# Altium PCB Stabilizer_Pounder.PcbDoc (part 1 of 7) (continued)
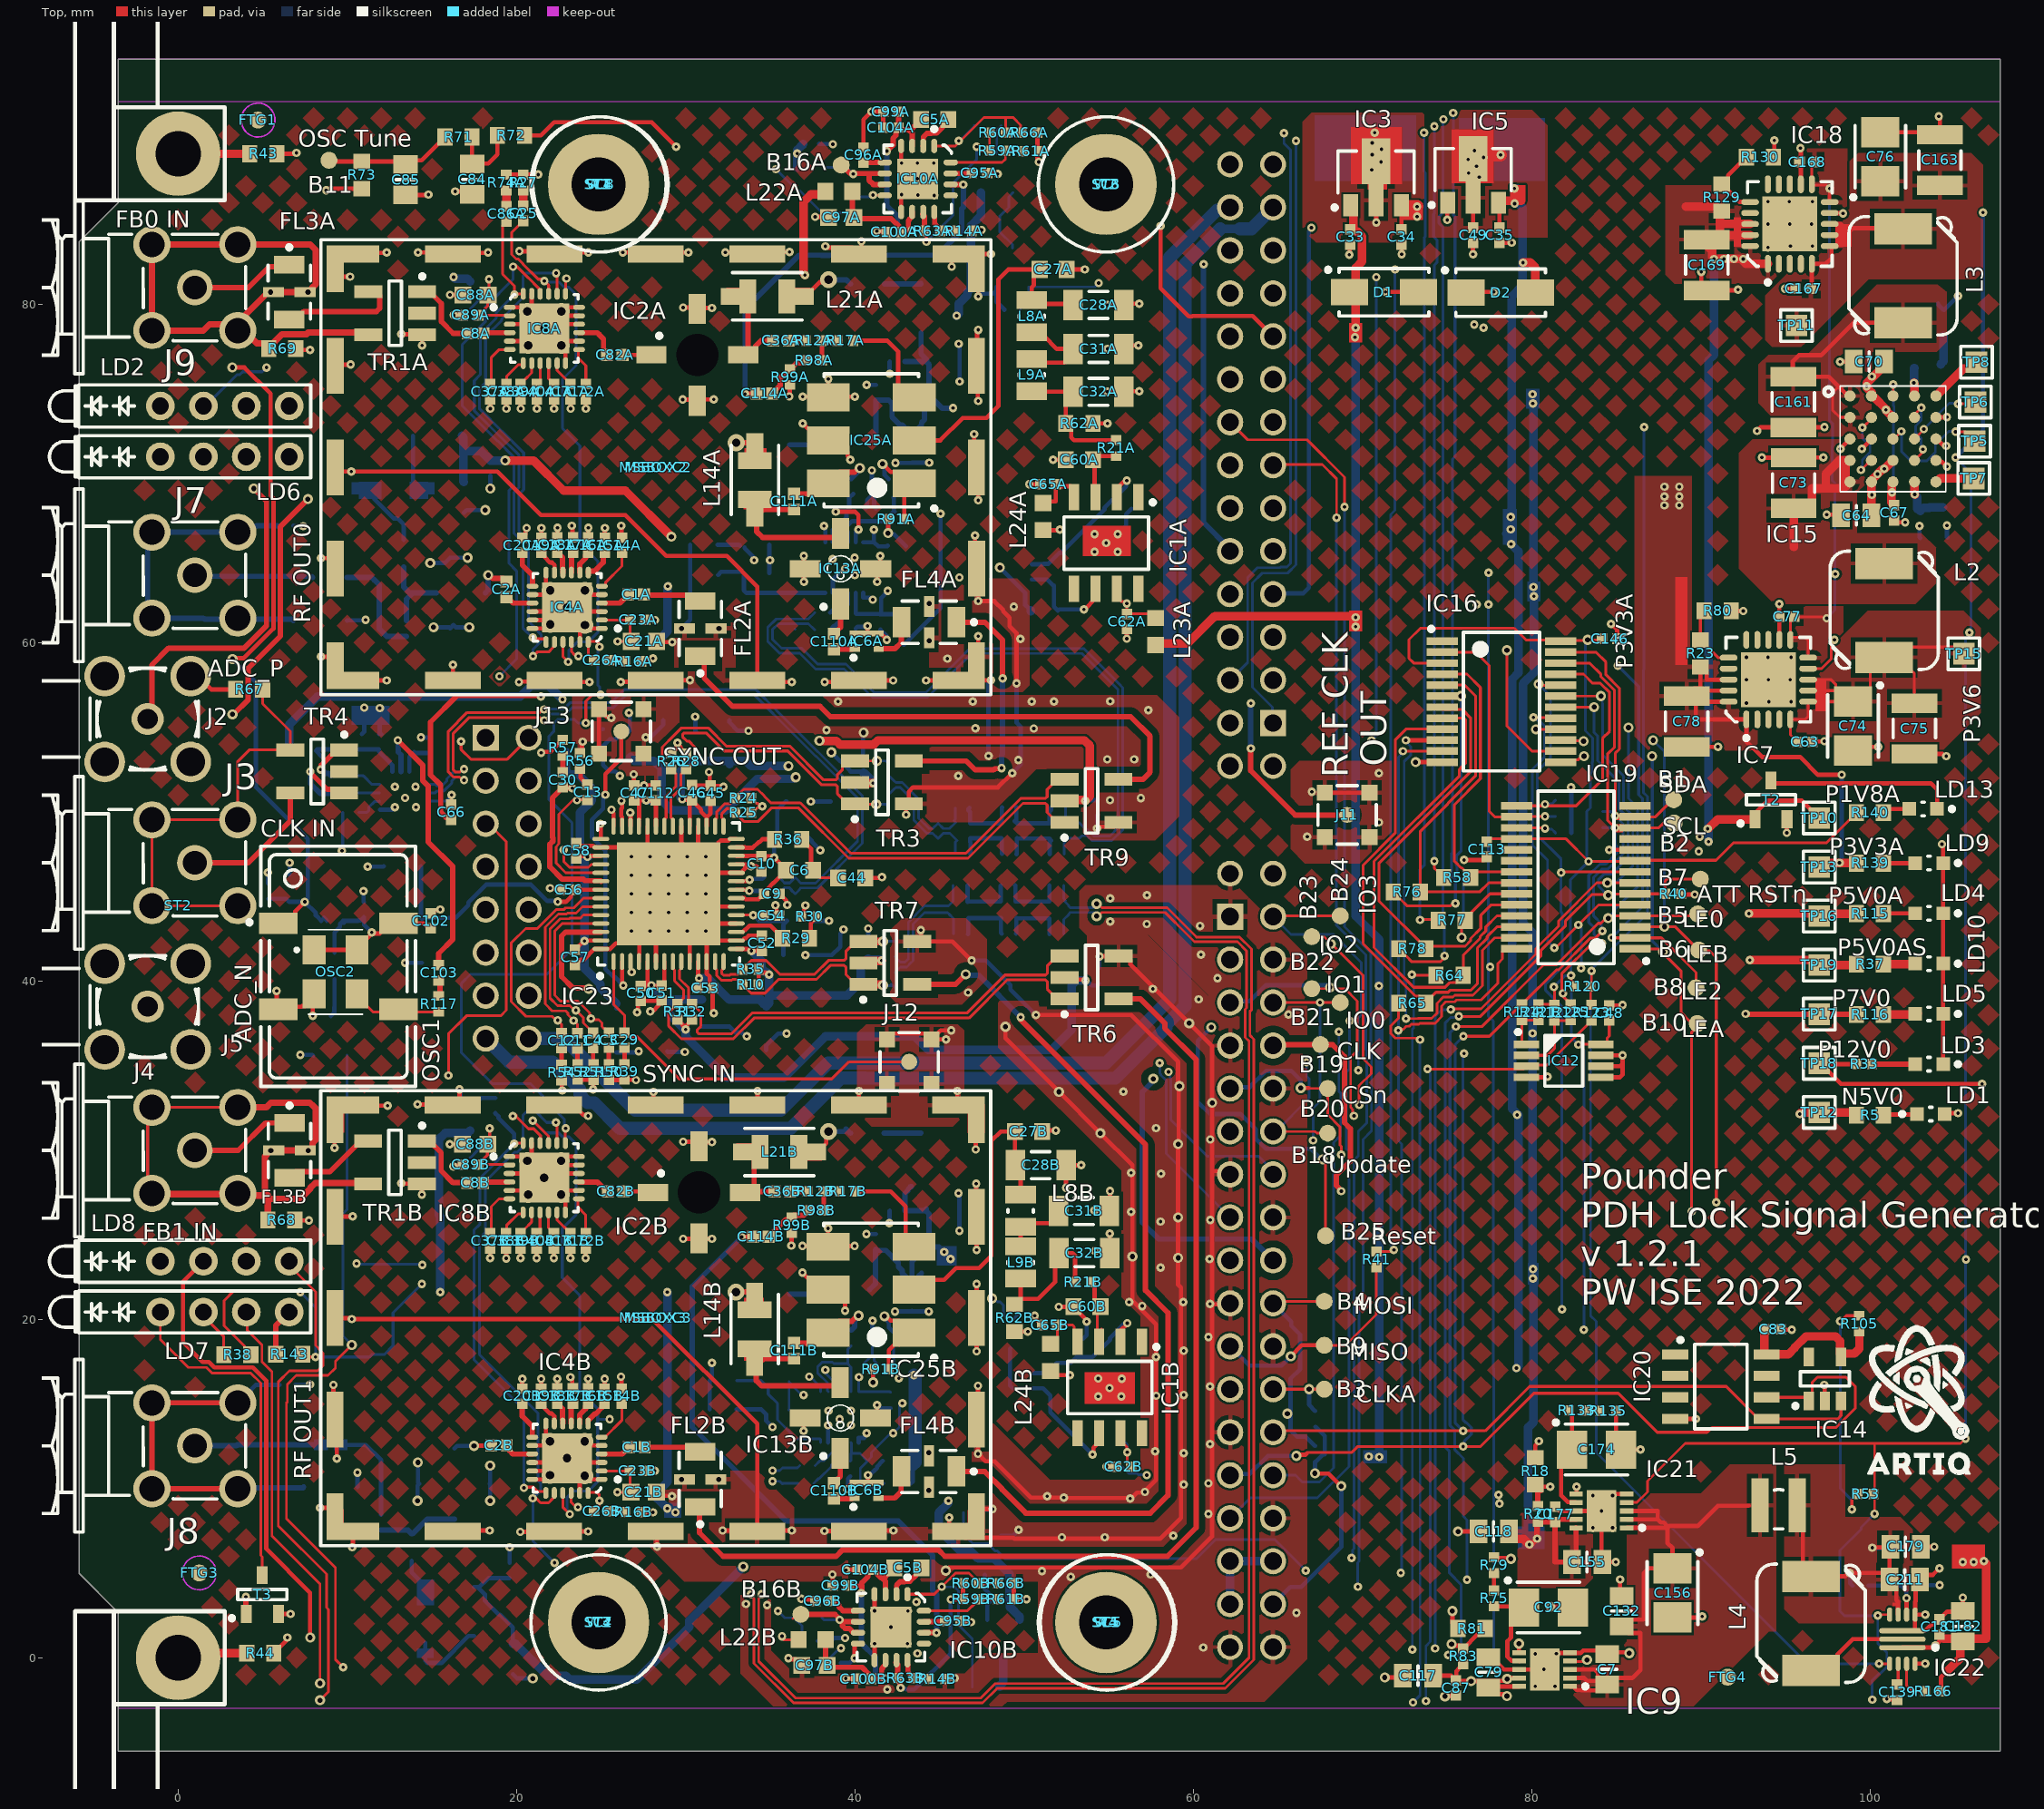
[diagram p0: Top view]
## Components (designator, comment, footprint, x,y, rotation, side; value= is the part's Value field where it differs from the comment) (continued)
C67 "100nF" CAPC1005X55N 101.429,67.676 r90 top
C68 "10uF" CAPMP3216X180N 34.754,37.213 r270 bottom
C69 "10uF" CAPMP3216X180N 14.404,42.374 r270 bottom
C70 "22uF" CAPC2012X135N 99.939,76.614 r0 top
C71A "100nF" CAPC1005X55N 23.193,74.843 r90 top (schematic designator C71)
C71B "100nF" CAPC1005X55N 23.183,24.644 r90 top (schematic designator C71)
C72A "100nF" CAPC1005X55N 24.093,74.843 r90 top (schematic designator C72)
C72B "100nF" CAPC1005X55N 24.083,24.644 r90 top (schematic designator C72)
C73 "47uF" CAPC3225X270N 95.479,69.434 r270 top
C74 "22uF" CAPMP3528X210N 98.989,55.074 r270 top
C75 "47uF" CAPC3225X270N 102.619,54.924 r90 top
C76 "22uF" CAPMP3528X210N 100.609,88.724 r90 top
C77 "1uF" CAPC1005X55N 95.079,61.524 r0 top
C78 "47uF" CAPC3225X270N 89.159,55.344 r90 top
C79 "22uF" CAPC2012X135N 77.444,-0.861 r270 top
C80 "100nF" CAPC1005X55N 54.407,40.31 r270 bottom
C81 "100nF" CAPC1005X55N 40.785,41.783 r270 bottom
C82A "100nF" CAPC1005X70N 25.804,77.013 r0 top (schematic designator C82)
C82B "100nF" CAPC1005X70N 25.854,27.559 r0 top (schematic designator C82)
C83 "100nF" CAPC1005X55N 94.259,19.405 r180 top
C84 "4.7nF" CAPC2012X95N 17.369,87.388 r90 top
C85 "4.7nF" CAPC2012X95N 13.437,87.363 r90 top
C86A "100pF" CAPC1005X55N 19.394,85.338 r270 top (schematic designator C86)
C86B "100pF" CAPC1005X55N 18.744,32.638 r270 bottom (schematic designator C86)
C87 "100nF" CAPC1005X55N 75.513,-1.783 r90 top
C88A "10uF" CAPC1608X80N 17.569,80.553 r0 top (schematic designator C88)
C88B "10uF" CAPC1608X80N 17.559,30.354 r0 top (schematic designator C88)
C89A "1nF" CAPC1005X55N 17.289,79.353 r0 top (schematic designator C89)
C89B "1nF" CAPC1005X55N 17.279,29.154 r0 top (schematic designator C89)
C90A "1uF" CAPC2012X140N 45.284,76.438 r180 bottom (schematic designator C90)
C90B "1uF" CAPC2012X140N 45.274,26.24 r180 bottom (schematic designator C90)
C91A "100nF" CAPC1005X55N 41.244,74.788 r270 bottom (schematic designator C91)
C91B "100nF" CAPC1005X55N 41.234,24.589 r270 bottom (schematic designator C91)
C92 "22uF" CAPMP3528X210N 80.994,2.971 r0 top
C93A "1uF" CAPC2012X140N 16.891,68.588 r90 bottom (schematic designator C93)
C93B "1uF" CAPC2012X140N 19.779,-0.067 r90 bottom (schematic designator C93)
C94A "1uF" CAPC2012X140N 43.369,71.538 r90 bottom (schematic designator C94)
C94B "1uF" CAPC2012X140N 43.369,21.413 r90 bottom (schematic designator C94)
C95A "100nF" CAPC1005X55N 47.364,87.768 r0 top (schematic designator C95)
C95B "100nF" CAPC1005X55N 45.784,2.168 r0 top (schematic designator C95)
C96A "100nF" CAPC1005X55N 40.504,88.818 r270 top (schematic designator C96)
C96B "100nF" CAPC1005X55N 38.1,3.353 r0 top (schematic designator C96)
C97A "10uF" CAPC1608X80N 39.194,85.138 r0 top (schematic designator C97)
C97B "10uF" CAPC1608X80N 37.614,-0.462 r0 top (schematic designator C97)
C98A "100nF" CAPC1005X55N 42.342,84.302 r0 bottom (schematic designator C98)
C98B "100nF" CAPC1005X55N 40.762,-1.298 r0 bottom (schematic designator C98)
C99A "100nF" CAPC1005X55N 42.124,91.388 r0 top (schematic designator C99)
C99B "100nF" CAPC1005X55N 39.141,4.267 r0 top (schematic designator C99)
C100A "100pF" CAPC1005X55N 42.316,84.277 r0 top (schematic designator C100)
C100B "100pF" CAPC1005X55N 40.513,-1.245 r0 top (schematic designator C100)
C101 "1uF" CAPC1005X55N 10.964,44.218 r270 bottom
C102 "100nF" CAPC1005X55N 14.914,43.558 r270 top
C103 "100nF" CAPC1005X55N 15.394,40.488 r270 top
C104A "100pF" CAPC1005X55N 42.124,90.438 r0 top (schematic designator C104)
C104B "100pF" CAPC1005X55N 40.615,5.207 r0 top (schematic designator C104)
C105 "100nF" CAPC1005X55N 9.484,51.098 r0 bottom
C106 "10uF" CAPMP3216X180N 37.064,41.528 r0 bottom
C107 "10uF" CAPMP3216X180N 25.899,37.088 r270 bottom
C108 "10uF" CAPMP3216X180N 37.262,50.608 r0 bottom
C109A "100nF" CAPC1005X55N 42.514,76.618 r0 bottom (schematic designator C109)
C109B "100nF" CAPC1005X55N 42.504,26.419 r0 bottom (schematic designator C109)
C110A "100nF" CAPC1005X70N 38.764,60.068 r90 top (schematic designator C110)
C110B "100nF" CAPC1005X70N 38.754,9.869 r90 top (schematic designator C110)
C111A "100nF" CAPC1005X70N 36.404,68.343 r90 top (schematic designator C111)
C111B "100nF" CAPC1005X70N 36.394,18.144 r90 top (schematic designator C111)
C112 "100nF" CAPC1005X55N 28.231,51.116 r270 top
C113 "100nF" CAPC1005X55N 77.347,47.788 r90 top
C114A "100nF" CAPC1005X70N 34.646,74.727 r180 top (schematic designator C114)
C114B "100nF" CAPC1005X70N 34.442,24.892 r180 top (schematic designator C114)
C115A "100nF" CAPC1005X55N 18.444,70.313 r90 bottom (schematic designator C115)
C115B "100nF" CAPC1005X55N 19.583,5.154 r270 bottom (schematic designator C115)
C116A "100nF" CAPC1005X70N 13.493,60.838 r270 bottom (schematic designator C116)
C116B "100nF" CAPC1005X70N 11.989,8.001 r90 bottom (schematic designator C116)
C117 "22uF" CAPC2012X135N 73.279,-1.062 r0 top
C118 "22uF" CAPC2012X135N 77.75,7.464 r0 top
C119A "4.7pF" CAPC1005X55N 50.445,64.186 r270 bottom (schematic designator C119)
C119B "4.7pF" CAPC1005X55N 50.314,16.383 r270 bottom (schematic designator C119)
C120A "1.8pF" CAPC1005X55N 46.348,49.327 r0 bottom (schematic designator C120)
C120B "1.8pF" CAPC1005X55N 46.253,43.713 r0 bottom (schematic designator C120)
C121A "9.1pF" CAPC1005X55N 49.124,49.327 r0 bottom (schematic designator C121)
C121B "9.1pF" CAPC1005X55N 49.105,43.713 r0 bottom (schematic designator C121)
C122 "100nF" CAPC1005X55N 14.914,53.928 r90 bottom
C123 "1uF" CAPC1005X55N 10.846,54.138 r270 bottom
C124A "6.8pF" CAPC1005X55N 51.943,49.327 r0 bottom (schematic designator C124)
C124B "6.8pF" CAPC1005X55N 51.943,43.688 r0 bottom (schematic designator C124)
C125A "100nF" CAPC1005X70N 38.075,61.773 r0 bottom (schematic designator C125)
C125B "100nF" CAPC1005X70N 37.19,11.358 r0 bottom (schematic designator C125)
C126A "100nF" CAPC1005X70N 39.776,69.24 r90 bottom (schematic designator C126)
C126B "100nF" CAPC1005X70N 39.776,18.897 r90 bottom (schematic designator C126)
C127A "9.1pF" CAPC1005X55N 44.907,48.877 r90 bottom (schematic designator C127)
C127B "9.1pF" CAPC1005X55N 44.806,44.17 r270 bottom (schematic designator C127)
C128A "12pF" CAPC1005X55N 47.727,48.877 r90 bottom (schematic designator C128)
C128B "12pF" CAPC1005X55N 47.65,44.221 r270 bottom (schematic designator C128)
C129A "11pF" CAPC1005X55N 50.546,48.877 r90 bottom (schematic designator C129)
C129B "11pF" CAPC1005X55N 50.495,44.221 r270 bottom (schematic designator C129)
C130A "6.8pF" CAPC1005X55N 53.264,48.895 r90 bottom (schematic designator C130)
C130B "6.8pF" CAPC1005X55N 53.391,44.138 r270 bottom (schematic designator C130)
C131 "100nF" CAPC1005X55N 11.864,54.138 r270 bottom
C132 "22uF" CAPC2012X135N 85.309,2.758 r270 top
C133A "100nF" CAPC1005X70N 38.075,60.757 r0 bottom (schematic designator C133)
C133B "100nF" CAPC1005X70N 37.112,10.313 r0 bottom (schematic designator C133)
C134A "100nF" CAPC1005X70N 41.986,69.215 r90 bottom (schematic designator C134)
C134B "100nF" CAPC1005X70N 42.24,18.821 r90 bottom (schematic designator C134)
C135A "1.8pF" CAPC1005X55N 46.355,48.438 r0 bottom (schematic designator C135)
C135B "1.8pF" CAPC1005X55N 46.221,44.678 r0 bottom (schematic designator C135)
C136A "9.1pF" CAPC1005X55N 49.124,48.438 r0 bottom (schematic designator C136)
C136B "9.1pF" CAPC1005X55N 49.047,44.704 r0 bottom (schematic designator C136)
C137A "6.8pF" CAPC1005X55N 51.943,48.412 r0 bottom (schematic designator C137)
C137B "6.8pF" CAPC1005X55N 51.943,44.704 r0 bottom (schematic designator C137)
C138A "100pF" CAPC1005X55N 40.045,61.281 r90 bottom (schematic designator C138)
C138B "100pF" CAPC1005X55N 41.192,11.633 r180 bottom (schematic designator C138)
C139 "100nF" CAPC1005X55N 101.594,-2.032 r270 top
C140A "100nF" CAPC1005X55N 41.504,61.221 r90 bottom (schematic designator C140)
C140B "100nF" CAPC1005X55N 39.726,11.176 r90 bottom (schematic designator C140)
C141 "100nF" CAPC1005X55N 42.088,52.502 r270 bottom
C142 "100nF" CAPC1005X55N 42.088,50.673 r90 bottom
C143 "100nF" CAPC1005X55N 42.367,40.056 r90 bottom
C144 "100nF" CAPC1005X55N 42.367,41.884 r270 bottom
C145 "1uF" CAPC1005X55N 5.331,45.305 r270 bottom
C146 "100nF" CAPC1005X55N 84.603,60.234 r180 top
C155 "22uF" CAPC2012X135N 83.274,5.658 r180 top
C156 "22uF" CAPMP3528X210N 88.324,3.828 r270 top
C161 "47uF" CAPC3225X270N 95.459,74.224 r90 top
C163 "47uF" CAPC3225X270N 104.129,88.524 r270 top
C167 "1uF" CAPC1005X55N 96.063,80.924 r180 top
C168 "1uF" CAPC1005X55N 96.279,88.414 r0 top
C169 "47uF" CAPC3225X270N 90.349,82.324 r90 top
C174 "22uF" CAPMP3528X210N 83.829,12.303 r0 top
C177 "100nF" CAPC1005X55N 81.384,8.478 r270 top
C178 "100nF" CAPC1005X55N 102.044,6.458 r180 bottom
C179 "22uF" CAPC2012X135N 102.094,6.558 r180 top
C181 "100nF" CAPC1005X55N 104.094,1.818 r270 top
C182 "22uF" CAPC2012X135N 105.484,1.858 r270 top
C194 "100nF" CAPC1005X55N 9.484,52.128 r0 bottom
C211 "22uF" CAPC2012X135N 102.054,4.618 r180 top
D1 "SS16" DIOM5127X229N 71.269,80.713 r0 top
D2 "SS16" DIOM5127X229N 78.169,80.688 r0 top
FL2A "DC to 160MHz" FIL_MINI-CIRCUITS_FV1206 30.859,60.838 r90 top (schematic designator FL2)
FL2B "DC to 160MHz" FIL_MINI-CIRCUITS_FV1206 30.849,10.543 r90 top (schematic designator FL2)
FL3A "DC to 160MHz" FIL_MINI-CIRCUITS_FV1206 6.564,80.718 r270 top (schematic designator FL3)
FL3B "DC to 160MHz" FIL_MINI-CIRCUITS_FV1206 6.579,29.988 r270 top (schematic designator FL3)
FL4A "DC to 160MHz" FIL_MINI-CIRCUITS_FV1206 44.384,61.209 r180 top (schematic designator FL4)
FL4B "DC to 160MHz" FIL_MINI-CIRCUITS_FV1206 44.374,11.01 r180 top (schematic designator FL4)
FTG1 "Use only in PCB" FIDUCIAL_TOP_C100-200#1 4.719,90.888 r90 top
FTG2 "Use only in PCB" FIDUCIAL_TOP_C100-200#1 4.719,90.888 r90 bottom
FTG3 "Use only in PCB" FIDUCIAL_TOP_C100-200#1 1.244,5.013 r90 top
FTG4 "Use only in PCB" FIDUCIAL_TOP_C100-200#2 91.584,-1.147 r90 bottom
FTG5 "Use only in PCB" FIDUCIAL_TOP_C100-200#1 91.584,-1.147 r90 bottom
FTG6 "Use only in PCB" FIDUCIAL_TOP_C100-200#1 1.244,5.013 r90 bottom
IC1A "ADA4897-1AR" SOIC127P600X175-8N 54.848,65.891 r270 top (schematic designator IC1)
IC1B "ADA4897-1AR" SOIC127P600X175-8N 55.061,15.973 r270 top (schematic designator IC1)
IC2A "MAR-8A+" MINI-CIRCUITS_VV105 30.683,77.013 r0 top (schematic designator IC2)
IC2B "MAR-8A+" MINI-CIRCUITS_VV105 30.785,27.508 r0 top locked (schematic designator IC2)
IC3 "L78L05ACUTR" SOT89#1 70.804,87.817 r90 top
IC4A "HMC542BLP4E" QFN50P400X400X100-25N-S295 22.989,62.088 r180 top (schematic designator IC4)
IC4B "HMC542BLP4E" QFN50P400X400X100-25N-S295 22.979,11.793 r180 top (schematic designator IC4)
IC5 "L79L05ACUTR" SOT89#2 76.539,87.967 r90 top
IC6A "PAT1220-C-4DB-T10" SUSUMU_PAT1220 40.694,60.088 r180 top (schematic designator IC6)
IC6B "PAT1220-C-4DB-T10" SUSUMU_PAT1220 40.684,9.889 r180 top (schematic designator IC6)
IC7 "TPS74901RGWT" QFN65P500X500X100-21N-S325 93.989,57.814 r90 top
IC8A "HMC542BLP4E" QFN50P400X400X100-25N-S295 21.643,78.572 r0 top (schematic designator IC8)
IC8B "HMC542BLP4E" QFN50P400X400X100-25N-S295 21.633,28.374 r0 top (schematic designator IC8)
IC9 "LT3045EDD#PBF" SON50P300X300X80-11N-R175X248 80.769,-0.694 r180 top
IC10A "AD8363ACPZ-R7" QFN65P400X400X80-17N-S240 43.709,87.408 r270 top (schematic designator IC10)
IC10B "AD8363ACPZ-R7" QFN65P400X400X80-17N-S240 42.129,1.808 r270 top (schematic designator IC10)
IC11A "ERA-2SM+" MINI-CIRCUITS_WW107 16.064,62.934 r180 bottom (schematic designator IC11)
IC11B "ERA-2SM+" MINI-CIRCUITS_WW107 16.324,10.288 r270 bottom (schematic designator IC11)
IC12 "LM75AIMM/NOPB" SOP65P490X109-8N 81.893,35.285 r0 top
IC13A "ERA-2SM+" MINI-CIRCUITS_WW107 39.144,64.368 r90 top (schematic designator IC13)
IC13B "ERA-2SM+" MINI-CIRCUITS_WW107 39.134,14.169 r90 top (schematic designator IC13)
IC14 "24AA02E48T-I/OT" SOT95P280X145-5N 97.333,16.484 r90 top
IC15 "LTM4622AEV#PBF" LGA25C127P5X5_625X625X190 101.354,72.043 r0 top
IC16 "PCA9539DB" SOP65P780X200-24N 78.215,56.514 r0 top
IC17A "LTC6957IDD-1" SON45P300X300X80-13N-R175X248 39.37,64.44 r90 bottom (schematic designator IC17)
IC17B "LTC6957IDD-1" SON45P300X300X80-13N-R175X248 39.091,14.224 r90 bottom (schematic designator IC17)
IC18 "TPS74901RGWT" QFN65P500X500X100-21N-S325 95.259,84.744 r90 top
IC19 "MCP23017-E/SS" SOP65P780X200-28N 82.617,46.128 r180 top
IC20 "24AA02E48-I/SN" SOIC127P600X175-8N 91.186,16.027 r0 top
IC21 "LT3045EDD#PBF" SON50P300X300X80-11N-R175X248 84.124,8.678 r180 top
IC22 "TPS62148RGX" TEXAS_RGX0011A 101.909,1.098 r180 top
IC23 "AD9959BCPZ" ADI-CP-56-1_M 28.984,45.148 r90 top
IC24 "Si53340-B-GM" QFN50P300X300X90-17N-S175 13.414,50.878 r0 bottom
IC25A "ADE-1+" MINI-CIRCUITS_CD636 40.964,71.958 r180 top (schematic designator IC25)
IC25B "ADE-1+" MINI-CIRCUITS_CD636 40.954,21.759 r180 top (schematic designator IC25)
J1 "ESW-113-23-L-D" ESW-113-23-L-D 63.444,70.488 r90 bottom locked
J2 "MCX" AMPHENOL_919-383J-51A -1.806,55.488 r180 top locked
J3 "SMA" DELOCK_65848 0.984,46.988 r180 top locked
J4 "SMA" DELOCK_65848 0.984,29.988 r180 top locked
J5 "MCX" AMPHENOL_919-383J-51A -1.806,38.488 r180 top locked
J6 "ESW-108-23-L-D" ESW-108-23-L-D 19.444,45.488 r270 bottom locked
J7 "SMA" DELOCK_65848 0.984,63.988 r180 top locked
J8 "SMA" DELOCK_65848 0.984,12.528 r180 top locked
J9 "SMA" DELOCK_65848 0.984,80.988 r180 top locked
J10 "ESW-117-23-L-D" ESW-117-23-L-D 63.444,23.488 r270 bottom locked
J11 "MMCX" Molex_73415-2063 69.091,49.818 r0 top
J12 "MMCX" Molex_73415-2063 43.205,35.23 r0 top
J13 "MMCX" Molex_73415-2063 26.187,54.753 r0 top
L1 "120R@100MHz" INDC1608X95N 30.619,53.928 r90 bottom
L2 "1.5uH" IND_TDK_SPM6530 100.839,61.909 r270 top
L3 "1.5uH" IND_TDK_SPM6530 101.949,81.689 r90 top
L4 "1.5uH" IND_TDK_SPM6530 96.514,2.038 r90 top
L5 "4.7uH" IND_WURTH_WE-TPC-2813 94.594,9.013 r180 top
L6 "4.7uH" IND_WURTH_WE-TPC-2813 13.251,46.788 r0 bottom
L7 "4.7uH" IND_WURTH_WE-TPC-2813 24.008,53.548 r180 bottom
L8A "27uH" IND_TAIYO-YUDEN_LSQMB201616 50.445,79.292 r270 top (schematic designator L8)
L8B "27uH" IND_TAIYO-YUDEN_LSQMB201616 49.794,26.419 r270 top (schematic designator L8)
L9A "27uH" IND_TAIYO-YUDEN_LSQMB201616 50.445,75.819 r270 top (schematic designator L9)
L9B "27uH" IND_TAIYO-YUDEN_LSQMB201616 49.794,23.363 r270 top (schematic designator L9)
L10 "120R@100MHz" INDC1608X95N 7.354,53.628 r180 bottom
L11A "390R@100MHz" INDC1608X95N 27.519,60.078 r180 bottom (schematic designator L11)
L11B "390R@100MHz" INDC1608X95N 27.509,9.783 r180 bottom (schematic designator L11)
L12A "390R@100MHz" INDC1608X95N 17.259,80.553 r270 bottom (schematic designator L12)
L12B "390R@100MHz" INDC1608X95N 17.249,30.354 r270 bottom (schematic designator L12)
L13 "120R@100MHz" INDC1608X95N 9.244,40.878 r270 bottom
L14A "10uH" IND_MURATA_LQH32C 34.083,69.618 r90 top (schematic designator L14)
L14B "10uH" IND_MURATA_LQH32C 34.073,19.419 r90 top (schematic designator L14)
L15A "10uH" IND_MURATA_LQH32C 12.725,69.006 r0 bottom (schematic designator L15)
L15B "10uH" IND_MURATA_LQH32C 14.605,2.032 r270 bottom (schematic designator L15)
L16A "47nH" IND_MURATA_LQW15AN_00 46.355,50.241 r0 bottom (schematic designator L16)
L16B "47nH" IND_MURATA_LQW15AN_00 46.253,42.773 r0 bottom (schematic designator L16)
L17A "33nH" IND_MURATA_LQW15AN_00 49.124,50.266 r0 bottom (schematic designator L17)
L17B "33nH" IND_MURATA_LQW15AN_00 49.098,42.799 r0 bottom (schematic designator L17)
L18A "33nH" IND_MURATA_LQW15AN_00 52.019,50.266 r0 bottom (schematic designator L18)
L18B "33nH" IND_MURATA_LQW15AN_00 51.918,42.773 r0 bottom (schematic designator L18)
L19A "47nH" IND_MURATA_LQW15AN_00 46.369,47.496 r0 bottom (schematic designator L19)
L19B "47nH" IND_MURATA_LQW15AN_00 46.228,45.644 r0 bottom (schematic designator L19)
L20A "33nH" IND_MURATA_LQW15AN_00 49.126,47.496 r0 bottom (schematic designator L20)
L20B "33nH" IND_MURATA_LQW15AN_00 49.047,45.644 r0 bottom (schematic designator L20)
L21A "10uH" IND_MURATA_LQH32C 34.823,80.467 r0 top (schematic designator L21)
L21B "10uH" IND_MURATA_LQH32C 35.535,29.896 r0 top (schematic designator L21)
L22A "390R@100MHz" INDC1608X95N 39.044,86.668 r0 top (schematic designator L22)
L22B "390R@100MHz" INDC1608X95N 37.464,1.068 r0 top (schematic designator L22)
L23A "390R@100MHz" INDC1608X95N 57.763,60.658 r90 top (schematic designator L23)
L23B "390R@100MHz" INDC1608X95N 55.797,12.095 r90 bottom (schematic designator L23)
L24A "390R@100MHz" INDC1608X95N 51.112,67.449 r270 top (schematic designator L24)
L24B "390R@100MHz" INDC1608X95N 51.561,17.752 r270 top (schematic designator L24)
L25 "120R@100MHz" INDC1608X95N 26.694,54.008 r90 bottom
L26 "120R@100MHz" INDC1608X95N 30.959,38.108 r270 bottom
L27 "120R@100MHz" INDC1608X95N 32.584,38.108 r270 bottom
L28 "120R@100MHz" INDC1608X95N 36.799,43.558 r0 bottom
L29 "120R@100MHz" INDC1608X95N 36.293,48.648 r0 bottom
L30A "33nH" IND_MURATA_LQW15AN_00 51.943,47.498 r0 bottom (schematic designator L30)
L30B "33nH" IND_MURATA_LQW15AN_00 51.918,45.644 r0 bottom (schematic designator L30)
L31A "120R@100MHz" INDC1608X95N 42.875,60.68 r270 bottom (schematic designator L31)
L31B "120R@100MHz" INDC1608X95N 42.52,10.312 r0 bottom (schematic designator L31)
LD1 "Green" LED_KINGBRIGHT_KPH-1608CGCKr 103.594,32.138 r0 top
LD2 "Red/Green" LED_DIALIGHT_571-0112F -1.056,73.988 r0 top locked
LD3 "Green" LED_KINGBRIGHT_KPH-1608CGCKr 103.494,35.085 r180 top
LD4 "Green" LED_KINGBRIGHT_KPH-1608CGCKr 103.494,44.001 r180 top
LD5 "Green" LED_KINGBRIGHT_KPH-1608CGCKr 103.494,38.057 r180 top
LD6 "Red/Green" LED_DIALIGHT_571-0112F -1.056,70.988 r0 top locked
LD7 "Red/Green" LED_DIALIGHT_571-0112F -1.056,20.438 r0 top locked
LD8 "Red/Green" LED_DIALIGHT_571-0112F -1.056,23.438 r0 top locked
LD9 "Green" LED_KINGBRIGHT_KPH-1608CGCKr 103.494,46.973 r180 top
LD10 "Green" LED_KINGBRIGHT_KPH-1608CGCKr 103.494,41.029 r180 top
LD13 "Green" LED_KINGBRIGHT_KPH-1608CGCKr 103.134,50.171 r180 top
MSBOX2 "Metal Screening Box 20 Pins" MSBOX_LAIRD_BMI-S-205-F 28.234,70.368 r90 top locked
MSBOX3 "Metal Screening Box 20 Pins" MSBOX_LAIRD_BMI-S-205-F 28.224,20.073 r90 top locked
MSBOXC2 "Top Cover" MSBOX_LAIRD_BMI-S-205-C 28.234,70.368 r90 top
MSBOXC3 "Top Cover" MSBOX_LAIRD_BMI-S-205-C 28.224,20.073 r90 top
OSC1 "100MHz" OSC_CRYSTEK_CCHD-950 9.459,40.869 r0 top locked
OSC2 "510CCA100M000BAG" 510CBA49M1520BAG 8.904,40.538 r270 top
R1A "82" RESC3216X65N 43.909,79.772 r90 bottom (schematic designator R1)
R1B "82" RESC3216X65N 43.899,29.574 r90 bottom (schematic designator R1)
R2A "6R8" RESC2012X60N 40.739,81.203 r180 bottom (schematic designator R2)
R2B "6R8" RESC2012X60N 40.729,31.004 r180 bottom (schematic designator R2)
R3A "82" RESC3216X65N 39.424,71.958 r180 bottom (schematic designator R3)
R3B "82" RESC3216X65N 39.414,21.759 r180 bottom (schematic designator R3)
R4A "6R8" RESC2012X60N 35.154,71.698 r180 bottom (schematic designator R4)
R4B "6R8" RESC2012X60N 35.144,21.499 r180 bottom (schematic designator R4)
R5 "3k3" RESC1608X55N 99.994,32.063 r180 top
R6A "0" RESC1005X40N 8.417,63.855 r0 bottom (schematic designator R6)
R6B "0" RESC1005X40N 9.004,12.583 r0 bottom (schematic designator R6)
R7A "200" RESC1608X55N 55.547,67.919 r180 bottom (schematic designator R7)
R7B "200" RESC1608X55N 54.28,18.857 r0 bottom (schematic designator R7)
R8A "0" RESC1608X55N 34.112,64.008 r0 bottom (schematic designator R8)
R8B "0" RESC1608X55N 35.306,16.332 r0 bottom (schematic designator R8)
R9A "Undefined" RESC1608X55N 31.115,64.008 r0 bottom (schematic designator R9)
R9B "Undefined" RESC1608X55N 32.207,16.383 r0 bottom (schematic designator R9)
R10 "49R9" RESC1005X40N 33.833,39.802 r0 top
R11A "3k6" RESC1608X55N 51.76,64.186 r270 bottom (schematic designator R11)
R11B "3k6" RESC1608X55N 51.6,16.303 r270 bottom (schematic designator R11)
R12A "4R7" RESC1005X40N 37.567,77.851 r0 top (schematic designator R12)
R12B "4R7" RESC1005X40N 37.668,27.559 r0 top (schematic designator R12)
R13A "0" RESC1608X55N 34.138,65.786 r0 bottom (schematic designator R13)
R13B "0" RESC1608X55N 35.281,14.656 r0 bottom (schematic designator R13)
R14A "1k2" RESC1005X40N 46.444,84.338 r180 top (schematic designator R14)
R14B "1k2" RESC1005X40N 44.864,-1.262 r180 top (schematic designator R14)
R15 "49R9" RESC1005X40N 10.964,51.628 r270 bottom
R16A "100" RESC1005X40N 26.914,58.893 r0 top (schematic designator R16)
R16B "100" RESC1005X40N 26.904,8.598 r0 top (schematic designator R16)
R17A "4R7" RESC1005X40N 39.434,77.851 r0 top (schematic designator R17)
R17B "4R7" RESC1005X40N 39.56,27.559 r0 top (schematic designator R17)
R18 "3k3" RESC1608X55N 80.213,11.023 r90 top
R19A "0" RESC1005X40N 6.346,66.908 r180 bottom (schematic designator R19)
R19B "0" RESC1005X40N 6.452,16.129 r180 bottom (schematic designator R19)
R20 "68k" RESC1005X40N 80.366,8.496 r90 top
R21A "0" RESC1005X40N 55.447,71.501 r270 top (schematic designator R21)
R21B "0" RESC1005X40N 53.48,22.209 r0 top (schematic designator R21)
R22A "Undefined" RESC1608X55N 31.064,65.786 r0 bottom (schematic designator R22)
R22B "Undefined" RESC1608X55N 32.207,14.681 r0 bottom (schematic designator R22)
R23 "4k7" RESC1608X55N 89.969,59.354 r270 top
R24 "49R9" RESC1005X40N 33.399,50.814 r0 top
R25 "49R9" RESC1005X40N 33.399,49.958 r0 top
R26 "49R9" RESC1005X40N 29.13,52.985 r90 top
R27 "100" RESC1005X40N 20.393,87.198 r90 top
R28 "49R9" RESC1005X40N 30.01,52.985 r90 top
R29 "1k8" RESC1608X55N 36.514,42.528 r0 top
R30 "110" RESC1005X40N 37.299,43.808 r180 top
R31 "49R9" RESC1005X40N 29.515,38.176 r270 top
R32 "49R9" RESC1005X40N 30.378,38.176 r270 top
R33 "10k" RESC1005X40N 99.644,35.088 r180 top
R34A "82" RESC3216X65N 15.326,72.222 r180 bottom (schematic designator R34)
R34B "82" RESC3216X65N 17.486,2.738 r270 bottom (schematic designator R34)
R35 "49R9" RESC1005X40N 33.833,40.691 r0 top
R36 "0" RESC1608X55N 36.051,48.378 r0 top
R37 "3k3" RESC1608X55N 99.994,41.005 r180 top
R38 "1k2" RESC1608X55N 3.494,17.913 r0 top
R39 "100" RESC1005X40N 26.384,34.632 r270 top
R40 "10k" RESC1005X40N 88.367,45.153 r180 top
R41 "10k" RESC1005X40N 70.815,23.539 r90 top
R42 "4k7" RESC1005X40N 83.727,49.068 r0 bottom
R43 "0" RESC1608X55N 5.029,88.9 r180 top
R44 "0" RESC1608X55N 4.85,0.278 r180 top
R45 "4k7" RESC1005X40N 83.727,50.028 r0 bottom
R46 "0" RESC1005X40N 81.867,48.748 r180 bottom
R47 "0" RESC1005X40N 81.867,49.728 r180 bottom
R48 "0" RESC1005X40N 81.867,50.688 r180 bottom
R49 "100" RESC1005X40N 36.474,45.638 r270 bottom
R50 "100" RESC1005X40N 25.451,34.618 r270 top
R51 "100" RESC1005X40N 24.542,34.612 r270 top
R52 "100" RESC1005X40N 23.602,34.629 r270 top
R53 "10k" RESC1005X40N 99.724,9.678 r180 top
R54 "100" RESC1005X40N 22.659,34.593 r270 top
R55 "24k" RESC1608X55N 102.969,66.984 r270 bottom
R56 "100" RESC1005X40N 23.744,53.008 r90 top
R57 "100" RESC1005X40N 22.719,53.778 r90 top
R58 "430" RESC1608X55N 75.594,46.113 r0 top
R59A "3k9" RESC1005X40N 48.424,89.063 r180 top (schematic designator R59)
R59B "3k9" RESC1005X40N 46.858,3.452 r180 top (schematic designator R59)
R60A "3k9" RESC1005X40N 48.438,90.144 r180 top (schematic designator R60)
R60B "3k9" RESC1005X40N 46.858,4.392 r180 top (schematic designator R60)
R61A "1k3" RESC1005X40N 50.394,89.052 r180 top (schematic designator R61)
R61B "1k3" RESC1005X40N 48.919,3.463 r180 top (schematic designator R61)
R62A "49R9" RESC1608X55N 53.264,72.958 r180 top (schematic designator R62)
R62B "49R9" RESC1608X55N 49.43,20.083 r90 top (schematic designator R62)
R63A "750" RESC1005X40N 44.579,84.338 r180 top (schematic designator R63)
R63B "750" RESC1005X40N 43.002,-1.194 r180 top (schematic designator R63)
R64 "430" RESC1608X55N 75.144,40.338 r0 top
R65 "430" RESC1608X55N 72.944,38.688 r0 top
R66A "3k" RESC1005X40N 50.314,90.144 r180 top (schematic designator R66)
R66B "3k" RESC1005X40N 48.919,4.392 r180 top (schematic designator R66)
R67 "0" RESC1608X55N 4.194,57.238 r180 top
R68 "0" RESC1608X55N 6.096,25.868 r0 top
R69 "0" RESC1608X55N 6.152,77.388 r0 top
R70 "49R9" RESC1608X55N 49.197,19.099 r90 bottom
R71 "2k2" RESC1608X55N 16.569,89.888 r0 top
R72 "4k7" RESC1608X55N 19.671,89.986 r0 top
R73 "0" RESC1608X55N 10.844,87.638 r270 top
R74A "100" RESC1005X40N 19.389,87.198 r90 top (schematic designator R74)
R74B "100" RESC1005X40N 17.294,32.952 r180 bottom (schematic designator R74)
R75 "47k" RESC1005X40N 77.775,3.507 r270 top
R76 "430" RESC1608X55N 72.619,45.263 r0 top
R77 "430" RESC1608X55N 75.269,43.588 r0 top
R78 "430" RESC1608X55N 72.944,41.913 r0 top
R79 "3k" RESC1005X40N 77.775,5.468 r270 top
R80 "1k5" RESC1608X55N 90.989,61.884 r180 top
R81 "3k3" RESC1608X55N 76.444,1.731 r180 top
R82 "24k" RESC1608X55N 104.589,66.994 r270 bottom
R83 "47k" RESC1005X40N 75.944,0.08 r90 top
R84 "24k" RESC1608X55N 103.369,76.454 r0 bottom
R85A "6R8" RESC1608X55N 13.335,65.265 r90 bottom (schematic designator R85)
R85B "6R8" RESC1608X55N 13.795,6.528 r270 bottom (schematic designator R85)
R86A "0" RESC1608X55N 16.064,62.934 r180 bottom (schematic designator R86)
R86B "0" RESC1608X55N 16.324,10.288 r270 bottom (schematic designator R86)
R87 "160" RESC1608X55N 104.396,78.871 r90 bottom
R88 "10k" RESC1005X40N 67.208,12.059 r90 bottom
R89 "10k" RESC1005X40N 67.208,14.123 r90 bottom
R90 "49R9" RESC1608X55N 51.185,61.901 r180 bottom
R91A "0" RESC1005X40N 42.443,67.31 r180 top (schematic designator R91)
R91B "0" RESC1005X40N 41.529,17.043 r180 top (schematic designator R91)
R92A "100" RESC1005X40N 36.627,61.252 r90 bottom (schematic designator R92)
R92B "100" RESC1005X40N 35.712,10.744 r90 bottom (schematic designator R92)
R93A "10k" RESC1005X40N 48.095,85.191 r180 bottom (schematic designator R93)
R93B "10k" RESC1005X40N 48.666,3.53 r0 bottom (schematic designator R93)
R94A "10k" RESC1005X40N 49.301,79.68 r0 bottom (schematic designator R94)
R94B "10k" RESC1005X40N 46.888,8.585 r180 bottom (schematic designator R94)
R95A "0" RESC1608X55N 47.841,90.551 r180 bottom (schematic designator R95)
R95B "0" RESC1608X55N 47.739,-1.727 r180 bottom (schematic designator R95)
R96A "1k5" RESC1608X55N 37.389,88.087 r180 bottom (schematic designator R96)
R96B "1k5" RESC1608X55N 37.249,2.362 r180 bottom (schematic designator R96)
R97A "3k" RESC1005X40N 37.414,89.484 r180 bottom (schematic designator R97)
R97B "3k" RESC1005X40N 37.338,0.99 r180 bottom (schematic designator R97)
R98A "220" RESC1005X40N 37.592,76.682 r0 top (schematic designator R98)
R98B "220" RESC1005X40N 37.706,26.441 r0 top (schematic designator R98)
R99A "62" RESC1005X40N 36.17,75.704 r90 top (schematic designator R99)
R99B "62" RESC1005X40N 36.271,25.565 r90 top (schematic designator R99)
R100A "49R9" RESC1005X40N 40.005,67.792 r0 bottom (schematic designator R100)
R100B "49R9" RESC1005X40N 40.043,17.373 r0 bottom (schematic designator R100)
R101A "49R9" RESC1005X40N 40.996,69.164 r90 bottom (schematic designator R101)
R101B "49R9" RESC1005X40N 41.021,18.847 r90 bottom (schematic designator R101)
R102A "49R9" RESC1005X40N 41.834,67.792 r0 bottom (schematic designator R102)
R102B "49R9" RESC1005X40N 41.808,17.348 r0 bottom (schematic designator R102)
R103A "0" RESC1005X40N 42.545,65.684 r180 bottom (schematic designator R103)
R103B "0" RESC1005X40N 42.113,15.214 r90 bottom (schematic designator R103)
R104A "10k" RESC1005X40N 40.208,85.877 r90 bottom (schematic designator R104)
R104B "10k" RESC1005X40N 38.71,-0.305 r0 bottom (schematic designator R104)
R105 "100" RESC1005X40N 99.365,19.748 r90 top
R115 "3k3" RESC1608X55N 99.994,43.985 r180 top
R116 "4k7" RESC1608X55N 99.994,38.024 r180 top
R117 "100" RESC1005X40N 15.394,38.648 r270 top
R120 "10k" RESC1005X40N 83.01,39.673 r0 top
R121 "10k" RESC1005X40N 80.41,38.153 r90 top
R122 "10k" RESC1005X40N 81.34,38.133 r90 top
R123 "0" RESC1005X40N 83.54,38.133 r90 top
R124 "0" RESC1005X40N 79.42,38.163 r270 top
R125 "0" RESC1005X40N 82.31,38.153 r270 top
R129 "1k5" RESC1608X55N 91.239,86.304 r270 top
R130 "1k2" RESC1608X55N 93.489,88.704 r180 top
R133 "68k" RESC1005X40N 82.661,14.605 r180 top
R134 "47k" RESC1005X40N 99.434,4.268 r180 bottom
R135 "2k" RESC1005X40N 84.511,14.595 r180 top
R136 "4k7" RESC1608X55N 102.614,4.298 r180 bottom
R139 "1k2" RESC1608X55N 99.994,46.966 r180 top
R140 "1k2" RESC1608X55N 99.994,49.947 r180 top
R143 "430" RESC1608X55N 6.56,17.938 r0 top
R162 "49R9" RESC1005X40N 13.474,53.548 r0 bottom
R165 "470" RESC1005X40N 10.194,49.968 r0 bottom
R166 "47k" RESC1005X40N 103.724,-1.982 r0 top
R167 "1k5" RESC1608X55N 9.254,43.558 r0 bottom
R168 "1k5" RESC1608X55N 6.554,45.488 r270 bottom
SC1 "Screw" BOSSARD_BN5687-3061605_v 54.844,2.088 r0 top value=M3x6
SC2 "Screw" BOSSARD_BN5687-3061605_v 24.844,2.088 r0 top value=M3x6
SC3 "Screw" BOSSARD_BN5687-3061605_v 54.844,87.088 r0 top value=M3x6
SC4 "Screw" BOSSARD_BN5687-3061605_v 24.844,87.088 r0 top value=M3x6
SC5 "Screw" BOSSARD_BN5687-3061605_v 54.96,2.088 r180 top value=M3x6
SC6 "Screw" BOSSARD_BN5687-3061605_v 54.844,87.088 r0 top value=M3x6
SC7 "Screw" BOSSARD_BN5687-3061605_v 24.844,2.088 r0 top value=M3x6
SC8 "Screw" BOSSARD_BN5687-3061605_v 24.96,87.088 r0 top value=M3x6
ST1 "M3 18mm" R30-1001802 24.844,87.088 r180 top
ST2 "SCHROFF_PANEL_3U_4HP-Pounder" "SCHROFF_PANEL_3HP_4U - POUNDER" 0,0 r0 top
ST3 "M3 18mm" R30-1001802 54.844,87.088 r180 top
ST4 "M3 18mm" R30-1001802 24.844,2.088 r180 top
ST5 "M3 18mm" R30-1001802 54.844,2.088 r180 top
T1 "BSS84LT1G" SOT95P240X110-3N 9.024,36.778 r90 bottom
T2 "BSS138LT1G" SOT95P240X110-3N 94.144,50.713 r90 top
T3 "BSS138LT1G" SOT95P240X110-3N 4.969,3.738 r90 top
T4A "BSS138LT1G" SOT95P240X110-3N 49.312,82.176 r90 bottom (schematic designator T4)
T4B "BSS138LT1G" SOT95P240X110-3N 47.676,6.045 r270 bottom (schematic designator T4)
T5A "BSS84LT1G" SOT95P240X110-3N 48.387,87.757 r90 bottom (schematic designator T5)
T5B "BSS84LT1G" SOT95P240X110-3N 48.768,1.092 r270 bottom (schematic designator T5)
TP5 "Test Point" TPS127 106.179,71.904 r0 top
TP6 "Test Point" TPS127 106.229,74.224 r0 top
TP7 "Test Point" TPS127 106.129,69.704 r0 top
TP8 "Test Point" TPS127 106.289,76.574 r0 top
TP10 "Test Point" TPS127 96.994,49.638 r0 top
TP11 "Test Point" TPS127 95.649,78.744 r0 top
TP12 "Test Point" TPS127 96.994,32.238 r90 top
TP13 "Test Point" TPS127 96.994,46.738 r270 top
TP15 "Test Point" TPS127 105.544,59.345 r0 top
TP16 "Test Point" TPS127 96.994,43.838 r180 top
TP17 "Test Point" TPS127 96.994,38.038 r90 top
TP18 "Test Point" TPS127 96.994,35.138 r90 top
TP19 "Test Point" TPS127 96.994,40.938 r180 top
TR1A "1:1" XFMR_MINI-CIRCUITS_AT1521 12.824,79.474 r270 top (schematic designator TR1)
TR1B "1:1" XFMR_MINI-CIRCUITS_AT1521 12.814,29.275 r270 top (schematic designator TR1)
TR2A "1:1" XFMR_MINI-CIRCUITS_AT1521 8.388,62.582 r270 bottom (schematic designator TR2)
TR2B "1:1" XFMR_MINI-CIRCUITS_AT1521 9.008,11.358 r270 bottom (schematic designator TR2)
TR3 "2:1" XFMR_MINI-CIRCUITS_AT1521 41.594,51.741 r90 top
TR4 "1:1" XFMR_MINI-CIRCUITS_AT1521 8.214,52.386 r270 top
TR6 "2:1" XFMR_MINI-CIRCUITS_AT1521 53.99,40.208 r90 top
TR7 "2:1" XFMR_MINI-CIRCUITS_AT1521 42.088,41.072 r90 top
TR9 "2:1" XFMR_MINI-CIRCUITS_AT1521 53.984,50.648 r90 top
W1 "washer_M3_6mm_0.8mm" washer_M3_6mm_0.8mm 24.844,87.088 r180 top
W2 "washer_M3_6mm_0.8mm" washer_M3_6mm_0.8mm 54.844,87.088 r180 top
W3 "washer_M3_6mm_0.8mm" washer_M3_6mm_0.8mm 24.844,2.088 r180 top
W4 "washer_M3_6mm_0.8mm" washer_M3_6mm_0.8mm 54.844,2.088 r180 top

## Footprints (in the part's own frame and the unit in brackets; to place one, negate y for a bottom-side part, rotate by r counter-clockwise, add the part's x,y. Pads: shape width x height; smd on the part's side, far side on the other; paste and mask are expansions set on the pad)
510CBA49M1520BAG [mm]
  rect 1.7x1.35 smd: 1(-1.3,-0.87) 2(1.3,-0.87) 3(1.3,1.67) 4(-1.3,1.67)
  silkscreen extent -2.5,-2 2.5,2, body extent -2.5,-1.41 2.5,2.21, height 1.1